# Altium PCB COPY_HIVE_BOARD.PcbDoc (part 8 of 9)
Units mm, origin at the board's own origin, x right, y up, seen from the top; angles counter-clockwise.
Board outline 110 x 110 mm, 8 copper layers (Top, GND_1, Signal_1, GND_2, PWR, Signal_2, GND_3, Bottom), stack 1.6 mm thick; 674 components, 473 nets, 2528 pads, 2100 vias.
Unrouted connection lines stored in the file: 14.
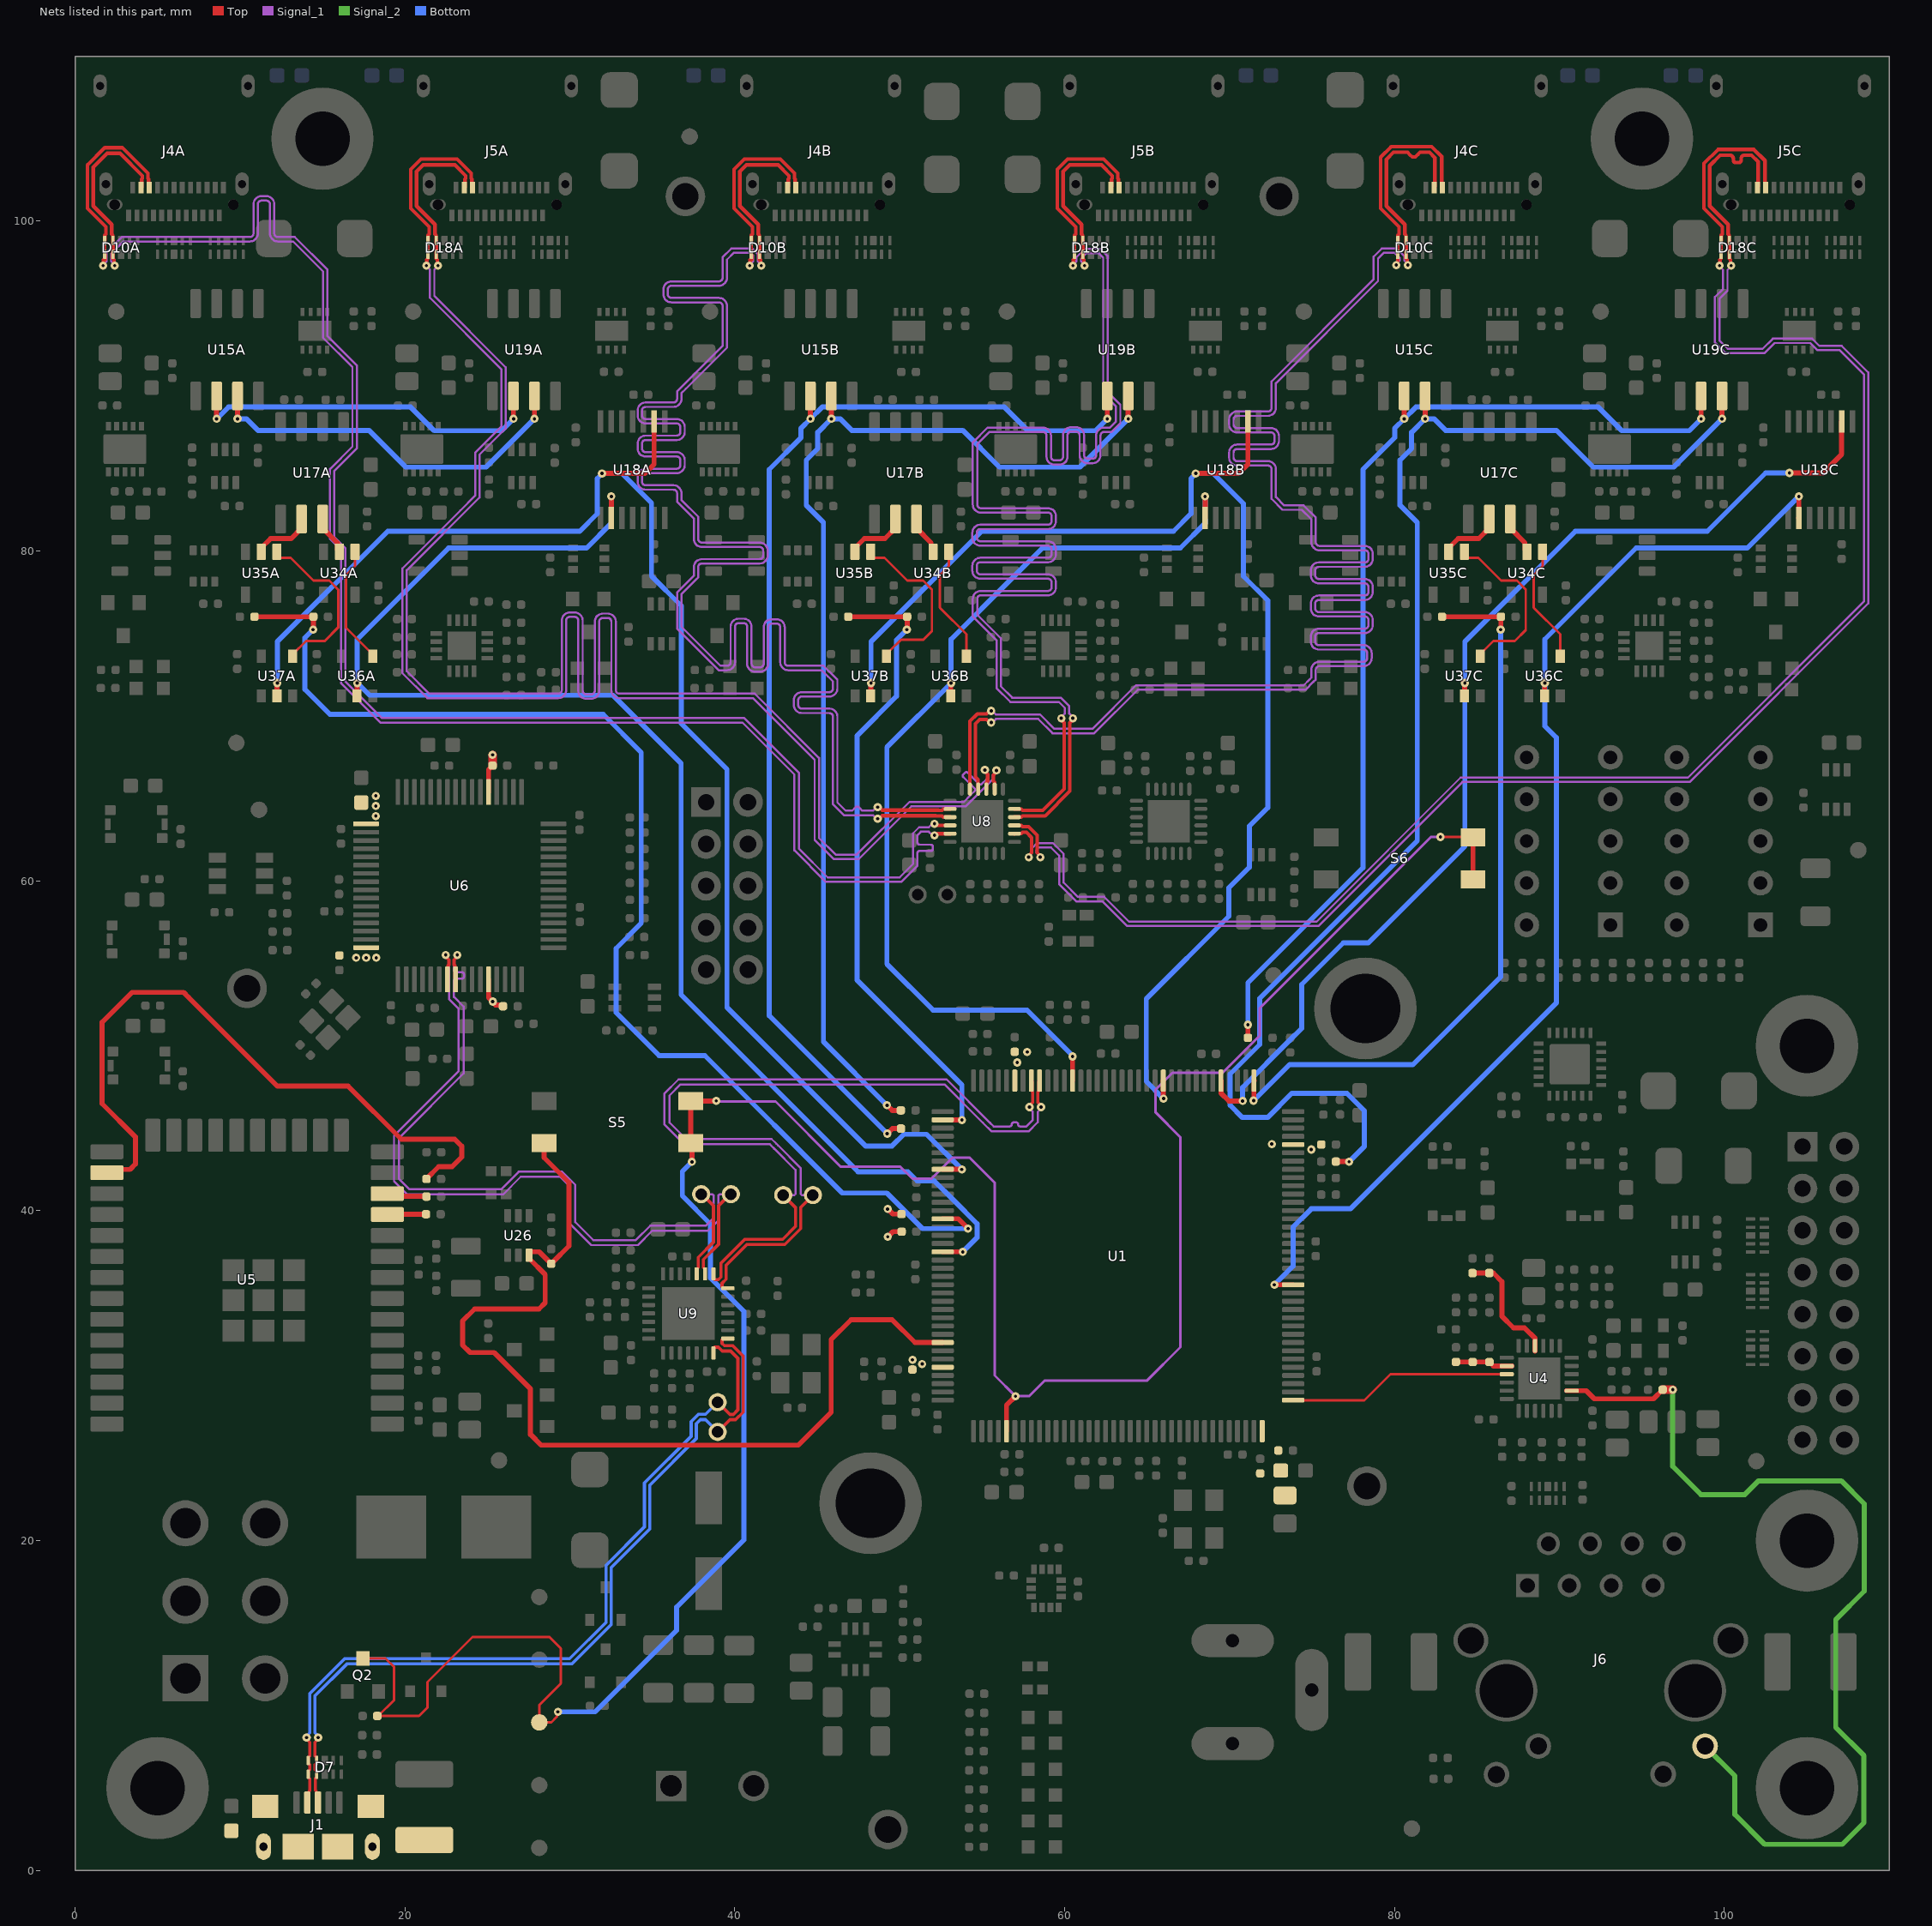
[diagram p14: the nets of this part, all layers, seen from the top]

## Via types
v1: diameter 0.5, hole 0.2, Top to Bottom, tented both sides, 1950 vias
v2: diameter 0.55, hole 0.2, Top to Bottom, tented both sides, 104 vias
v3: diameter 0.5, hole 0.2, Top to Bottom, 41 vias
v4: diameter 0.5, hole 0.2, Top to Bottom, tented bottom, 5 vias

## Nets (pads, with @x,y where several pads share a name; then routed paths per layer and width w, separated by ;. In a path a pad name is that pad's centre, name@x,y a point inside that pad or via, vN(x,y) a via of type N, cw(c..) or ccw(c..) an arc to the next point about the centre after c; other vN are vias at no path point) (continued)
PHY_LED_2: J6.12 R76.2 U4.2 | length 59.6
  Top w0.305: U4.2@90.425,29.091 U4.2@90.738,29.091 91.62,29.091 92.11,28.6 95.701,28.6 R76.2@96.254,29.154
  Top w0.508: R76.2@96.254,29.154 v1@96.868,29.154
  Signal_2 w0.305: v1@96.864,29.208 96.864,24.503 98.569,22.797 101.239,22.797 102.07,23.629 107.078,23.629 108.476,22.231 108.476,16.936 106.749,15.209 106.749,8.675 108.458,6.966 108.458,2.903 107.147,1.593 102.437,1.593 100.627,3.403 100.627,5.741 J6.12@98.825,7.544
  other v1: 96.868,29.149
PHY_nRST: U1.37 U4.15 | length 13.6
  Top w0.152: U1.37@73.851,28.514 78.172,28.514 79.748,30.091 U4.15@86.801,30.091
PHY_REFCLK: R48.1 R73.1 R160.2 U4.14 | length 3.5
  Top w0.305: R48.1@83.721,30.837 83.726,30.833 85.748,30.833 R160.2@85.752,30.829 85.99,30.591 U4.14@86.801,30.591 U4.14@87.123,30.591
PHYAD0: R78.2 R156.1 U4.10 | length 7.4
  Top w0.305: R156.1@84.725,36.223 84.728,36.226 R78.2@85.735,36.226 ; R78.2@85.738,36.228 R78.2@85.735,36.226 ; U4.10@88.519,31.496 U4.10@88.519,31.809 88.519,32.263 87.877,32.905 87.212,32.905 86.504,33.612 86.504,35.712 85.991,36.226 R78.2@85.735,36.226
SHIELD_USB: C149.2 J1.6 J1.7 J1.8 J1.9 J1.10 J1.11 R30.2
SPI_CLK_A: R171.2 U15A.3 U19A.3 | length 24.2
  Top w0.305: U15A.3@9.849,89.405 U15A.3@9.851,89.402 9.851,88.018 v1(9.853,88.016) ; v1@27.851,88.018 U19A.3@27.851,89.402 ; v1(49.274,38.424) v1@49.283,38.424 ; v1@49.332,38.424 v1@49.283,38.424 ; R171.2@50.114,38.735 50.112,38.733 49.591,38.733 v1@49.283,38.424
  Bottom w0.305: v1(9.853,88.016) 10.39,88.016 11.091,87.315 17.817,87.315 20.049,85.083 24.92,85.083 v1(27.853,88.016)
SPI_CLK_B: R163.2 U15B.3 U19B.3 | length 68.5
  Top w0.305: U15B.3@45.849,89.405 U15B.3@45.851,89.402 45.851,88.018 v1(45.853,88.016) ; v1(49.227,46.397) v1@49.235,46.397 ; v1@49.284,46.397 v1@49.235,46.397 ; R163.2@50.067,46.086 50.065,46.088 49.544,46.088 v1@49.235,46.397 ; U19B.3@63.849,89.405 U19B.3@63.851,89.402 63.851,88.018 v1(63.853,88.016)
  Bottom w0.305: v1(49.227,46.397) 45.373,50.251 45.373,81.731 44.33,82.774 44.33,85.519 45.031,86.22 45.031,87.194 v1(45.853,88.016) 46.39,88.016 47.091,87.315 53.817,87.315 56.049,85.083 60.92,85.083 v1(63.853,88.016)
SPI_CLK_C: R162.1 U15C.3 U19C.3 | length 84.4
  Top w0.305: R162.1@76.439,42.983 77.234,42.983 v1(77.243,42.974) ; U15C.3@81.849,89.405 U15C.3@81.851,89.402 81.851,88.018 v1(81.853,88.016) ; U19C.3@99.849,89.405 U19C.3@99.851,89.402 99.851,88.018 v1(99.853,88.016)
  Bottom w0.305: v1(77.243,42.974) 78.174,43.905 78.174,46.051 77.109,47.115 73.765,47.115 72.308,45.658 70.769,45.658 70.029,46.398 70.029,48.286 71.82,50.078 71.82,52.875 81.373,62.428 81.373,81.731 80.33,82.774 80.33,85.519 81.031,86.22 81.031,87.194 v1(81.853,88.016) 82.39,88.016 83.091,87.315 89.817,87.315 92.049,85.083 96.92,85.083 v1(99.853,88.016)
SPI_CS_0A: U34A.1 U36A.4 | length 7.2
  Top w0.152: U34A.1@16.973,79.958 16.973,79.092 16.434,78.553 16.434,75.351 18.044,73.74 U36A.4@18.044,73.615
SPI_CS_0B: U34B.1 U36B.4 | length 7.2
  Top w0.152: U34B.1@52.973,79.958 52.973,79.092 52.434,78.553 52.434,76.564 54.044,74.954 54.044,73.74 U36B.4@54.044,73.615
SPI_CS_0C: U34C.1 U36C.4 | length 7.2
  Top w0.152: U34C.1@88.973,79.958 88.973,79.092 88.434,78.553 88.434,76.564 90.044,74.954 90.044,73.74 U36C.4@90.044,73.615
SPI_CS_1A: U35A.1 U37A.4 | length 10.6
  Top w0.152: U35A.1@12.234,79.958 12.234,79.788 12.432,79.589 13.073,79.589 14.455,78.207 15.413,78.207 15.951,77.67 15.951,75.362 15.14,74.55 14.003,74.55 13.193,73.74 U37A.4@13.193,73.615
SPI_CS_1B: U35B.1 U37B.4 | length 10.8
  Top w0.152: U35B.1@48.234,79.958 48.234,79.788 48.432,79.589 49.073,79.589 50.455,78.207 51.413,78.207 51.951,77.67 51.951,75.145 51.432,74.626 50.079,74.626 49.392,73.939 49.193,73.74 U37B.4@49.193,73.615
SPI_CS_1C: U35C.1 U37C.4 | length 10.7
  Top w0.152: U35C.1@84.234,79.958 84.234,79.788 84.432,79.589 85.073,79.589 86.455,78.207 87.413,78.207 87.951,77.67 87.951,75.206 87.283,74.538 85.99,74.538 85.392,73.939 85.193,73.74 U37C.4@85.193,73.615
SPI_MISO_0A: U17A.7 U34A.2 | length 2.4
  Top w0.305: U17A.7@15.01,81.942 15.01,81.392 15.9,80.501 15.9,80.08 U34A.2@16.023,79.958
SPI_MISO_0B: U17B.7 U34B.2 | length 2.4
  Top w0.305: U17B.7@51.01,81.942 51.01,81.392 51.9,80.501 51.9,80.08 U34B.2@52.023,79.958
SPI_MISO_0C: U17C.7 U34C.2 | length 2.4
  Top w0.305: U17C.7@87.01,81.942 87.01,81.392 87.9,80.501 87.9,80.08 U34C.2@88.023,79.958
SPI_MISO_1A: U17A.6 U35A.2 | length 3.7
  Top w0.305: U35A.2@11.284,79.958 11.284,80.183 11.859,80.757 13.106,80.757 13.74,81.392 U17A.6@13.74,81.942
SPI_MISO_1B: U17B.6 U35B.2 | length 3.7
  Top w0.305: U35B.2@47.284,79.958 47.284,80.183 47.859,80.757 49.106,80.757 49.74,81.392 U17B.6@49.74,81.942
SPI_MISO_1C: U17C.6 U35C.2 | length 3.7
  Top w0.305: U35C.2@83.284,79.958 83.284,80.183 83.859,80.757 85.106,80.757 85.74,81.392 U17C.6@85.74,81.942
SPI_MISO_A: R164A.2 R174A.2 U1.122 | length 75.1
  Top w0.305: R174A.2@10.879,76.016 R164A.2@14.448,76.016 14.448,75.233 v1(14.43,75.233) ; U1.122@52.601,39.514 53.546,39.514 v1(54.142,38.918)
  Bottom w0.305: v1(14.43,75.233) 13.934,74.737 13.934,71.616 15.454,70.097 32.02,70.097 34.328,67.789 34.328,57.434 32.801,55.908 32.801,52.022 35.412,49.411 38.185,49.411 46.517,41.079 49.213,41.079 51.374,38.918 v1(54.142,38.918)
SPI_MISO_B: R164B.2 R174B.2 U1.110 | length 39.1
  Top w0.305: R174B.2@46.879,76.016 R164B.2@50.448,76.016 50.448,75.233 v1(50.43,75.233) ; U1.110@52.601,45.514 52.604,45.512 53.76,45.512 v1(53.768,45.504)
  Bottom w0.305: v1(50.43,75.233) 49.81,74.613 49.81,71.197 47.422,68.809 47.422,53.974 53.768,47.628 v1(53.768,45.504)
SPI_MISO_C: R164C.2 R174C.2 U1.74 | length 44.7
  Top w0.305: v1(71.452,46.677) 71.474,46.698 71.474,47.887 U1.74@71.476,47.889 ; R174C.2@82.879,76.016 R164C.2@86.448,76.016 86.448,75.233 v1(86.43,75.233)
  Bottom w0.305: v1(71.452,46.677) 73.637,48.861 81.11,48.861 86.43,54.181 v1(86.43,75.233)
SPI_MOSI_A: R161.1 U15A.2 U19A.2 | length 23
  Top w0.305: U15A.2@8.581,89.402 8.583,89.4 8.583,88.016 v1(8.585,88.014) ; v1@26.581,88.018 U19A.2@26.581,89.402 ; v1(49.264,40.11) v1@49.272,40.11 ; v1@49.321,40.11 v1@49.272,40.11 ; R161.1@50.104,39.799 50.102,39.801 49.581,39.801 v1@49.272,40.11
  Bottom w0.305: v1(8.585,88.014) 9.301,88.731 20.339,88.731 21.774,87.295 25.866,87.295 v1@26.585,88.014
  other v1: 26.583,88.016
SPI_MOSI_B: R166.2 U15B.2 U19B.2 | length 70.3
  Top w0.305: U15B.2@44.581,89.402 44.583,89.4 44.583,88.016 v1(44.585,88.014) ; v1(49.239,44.675) v1@49.247,44.675 ; v1@49.296,44.675 v1@49.247,44.675 ; R166.2@50.078,44.986 R166.2@50.076,44.983 49.555,44.983 v1@49.247,44.675 ; U19B.2@62.581,89.402 62.583,89.4 62.583,88.016 v1(62.585,88.014)
  Bottom w0.305: v1(49.239,44.675) 42.081,51.832 42.081,84.947 44.016,86.882 44.016,87.445 v1(44.585,88.014) 45.301,88.731 56.339,88.731 57.774,87.295 61.866,87.295 v1(62.585,88.014)
SPI_MOSI_C: R168.1 U15C.2 U19C.2 | length 63.4
  Top w0.305: R168.1@71.108,50.486 v1@71.108,51.275 ; U15C.2@80.581,89.402 U15C.2@80.581,89.402 80.583,88.016 v1(80.585,88.014) ; U19C.2@98.581,89.402 98.583,89.4 98.583,88.016 v1(98.585,88.014)
  Bottom w0.305: v1(71.111,51.278) 71.111,53.822 78.081,60.792 78.081,84.947 80.016,86.882 80.016,87.445 v1(80.585,88.014) 81.301,88.731 92.339,88.731 93.774,87.295 97.866,87.295 v1(98.585,88.014)
SPI_nCS_0A: U1.126 U18A.2 U36A.2 | length 87.4
  Top w0.305: U36A.2@17.094,71.215 v1@17.094,71.998 ; U18A.2@32.505,82 32.512,82.007 v1(32.512,83.312) ; U1.126@52.601,37.514 52.604,37.512 53.818,37.512 v1(53.822,37.508)
  Bottom w0.305: v1(32.512,83.312) 32.512,81.682 31.018,80.188 22.649,80.188 17.112,74.65 v1(17.112,71.998) 17.855,71.255 32.615,71.255 36.742,67.128 36.742,53.1 43.825,46.016 47.474,42.367 50.495,42.367 51.048,41.815 52.084,41.815 53.268,40.631 54.686,39.212 54.686,38.373 v1(53.822,37.508)
SPI_nCS_0B: U1.96 U18B.2 U36B.2 | length 58.4
  Top w0.305: U36B.2@53.094,71.215 v1@53.094,71.998 ; U1.96@60.476,47.889 60.477,47.891 v1(60.477,49.352) ; U18B.2@68.505,82 68.512,82.007 v1(68.512,83.312)
  Bottom w0.305: v1(60.477,49.352) 60.477,49.403 57.721,52.16 52.021,52.16 49.219,54.961 49.219,68.106 v1(53.112,71.998) 53.112,74.65 56.762,78.301 58.649,80.188 67.018,80.188 68.512,81.682 v1(68.512,83.312)
SPI_nCS_0C: U1.51 U18C.2 U36C.2 | length 70.1
  Top w0.305: v1@72.713,35.514 U1.51@73.851,35.514 U1.51@73.853,35.512 ; U36C.2@89.094,71.215 v1@89.094,71.998 ; U18C.2@104.505,82 104.512,82.007 v1(104.512,83.312)
  Bottom w0.305: v1(72.71,35.511) 73.842,36.644 73.842,39.008 74.951,40.118 77.324,40.118 89.804,52.597 89.804,55.247 89.804,68.691 89.112,69.382 v1(89.112,71.998) 89.112,74.65 94.649,80.188 101.388,80.188 v1(104.512,83.312)
SPI_nCS_1A: U1.116 U18A.9 U37A.2 | length 90.8
  Top w0.305: U37A.2@12.243,71.215 v1@12.243,71.998 ; v1(31.944,84.7) 34.549,84.7 35.105,85.256 U18A.9@35.105,87.85 U18A.9@35.128,87.826 ; U1.116@52.601,42.514 52.604,42.512 53.757,42.512 v1(53.764,42.505)
  Bottom w0.305: v1(12.26,71.998) 12.26,74.502 18.962,81.204 30.6,81.204 31.657,82.26 31.657,84.398 31.944,84.686 v1(31.944,84.7) 33.168,84.7 34.95,82.918 34.95,78.487 36.758,76.679 36.758,69.538 39.527,66.769 39.527,52.329 47.926,43.93 49.535,43.93 50.245,44.64 51.628,44.64 v1(53.764,42.505)
SPI_nCS_1B: U1.85 U18B.9 U37B.2 | length 79.4
  Top w0.305: U37B.2@48.243,71.215 v1@48.243,71.998 ; U1.85@65.976,47.889 65.979,47.887 65.979,46.816 v1(65.994,46.801) ; v1(67.944,84.7) 70.549,84.7 71.105,85.256 U18B.9@71.105,87.85
  Bottom w0.305: v1(48.26,71.998) 48.26,74.502 54.962,81.204 66.6,81.204 67.657,82.261 67.657,84.398 67.944,84.685 v1(67.944,84.7) 69.017,84.7 70.838,82.878 70.838,78.471 72.312,76.998 72.312,64.441 71.196,63.326 71.196,60.827 69.952,59.582 69.952,57.86 64.948,52.856 64.948,47.847 v1(65.994,46.801)
SPI_nCS_1C: U1.78 U18C.9 U37C.2 | length 66.9
  Top w0.305: U1.78@69.476,47.889 69.476,47.135 69.952,46.66 v1(70.79,46.66) ; U37C.2@84.243,71.215 v1@84.243,71.998 ; v1(103.937,84.734) 105.97,84.734 107.105,85.869 U18C.9@107.105,87.85 U18C.9@107.128,87.826
  Bottom w0.305: v1(70.79,46.66) 70.79,47.479 73.637,50.325 74.368,51.056 74.368,53.72 76.891,56.243 78.408,56.243 84.26,62.096 v1(84.26,71.998) 84.26,74.502 90.962,81.204 98.965,81.204 102.495,84.734 v1(103.937,84.734)
SYNC_0A_N: D10A.5 D10A.6 J4A.B3 U8.4 | length 105.4
  Top w0.216: v1(1.699,97.305) 1.729,97.335 1.729,97.654 D10A.6@1.8,97.725 ; 1.808,97.652 1.808,97.975 D10A.6@1.8,97.982 D10A.5@1.8,98.817 1.808,98.825 1.808,99.148 1.879,99.219 1.879,99.656 0.759,100.775 0.759,103.408 1.806,104.455 2.864,104.455 4.421,102.897 4.421,102.576 4.458,102.54 4.458,102.082 J4A.B3@4.5,102.04 ; v1(52.105,63.464) 52.195,63.464 52.296,63.363 U8.4@53.054,63.363
  Signal_1 w0.127: v1(1.699,97.305) 1.699,97.348 1.917,97.566 1.917,98.119 2.833,99.035 9.991,99.035 10.397,99.035 10.594,99.035 ccw(c10.594,99.256) 10.815,99.256 10.815,101.022 cw(c11.302,101.022) 11.302,101.509 11.597,101.509 cw(c11.597,101.022) 12.085,101.022 12.085,99.256 ccw(c12.306,99.256) 12.306,99.035 12.952,99.035 13.324,99.035 15.305,97.054 15.305,93.035 17.083,91.257 17.083,86.224 15.723,84.865 15.723,80.843 16.384,80.183 16.384,72.1 18.616,69.868 40.572,69.868 43.881,66.558 43.881,61.96 45.634,60.208 49.99,60.208 50.808,61.026 50.808,62.887 51.167,63.246 51.762,63.246 v1@51.98,63.464
SYNC_0A_P: D10A.4 D10A.7 J4A.B2 U8.5 | length 105.4
  Top w0.216: v1(2.401,97.305) 2.371,97.335 2.371,97.654 2.3,97.725 D10A.7@2.3,97.982 D10A.4@2.3,98.817 2.292,98.825 2.292,99.148 2.221,99.219 2.221,99.798 1.102,100.917 1.102,103.266 1.948,104.112 2.722,104.112 4.078,102.755 4.078,102.576 4.042,102.54 4.042,102.082 J4A.B2@4,102.04 ; v1(52.105,62.762) 52.195,62.762 52.296,62.863 U8.5@53.054,62.863
  Signal_1 w0.127: v1(2.401,97.305) 2.401,97.348 2.183,97.566 2.183,98.008 2.943,98.768 10.397,98.768 10.594,98.768 ccw(c10.594,99.256) 11.081,99.256 11.081,101.022 cw(c11.302,101.022) 11.302,101.243 11.597,101.243 cw(c11.597,101.022) 11.818,101.022 11.818,99.256 ccw(c12.306,99.256) 12.306,98.768 12.952,98.768 13.214,98.768 15.038,96.944 15.038,92.925 16.816,91.146 16.816,86.335 15.457,84.975 15.457,80.733 16.117,80.072 16.117,71.99 18.506,69.601 40.461,69.601 43.615,66.447 43.615,61.85 45.523,59.942 50.1,59.942 51.074,60.915 51.074,61.244 51.074,61.688 cw(c51.201,61.688) 51.201,61.815 51.891,61.815 ccw(c51.891,61.929) 52.005,61.929 52.005,62.082 ccw(c51.891,62.082) 51.891,62.196 51.201,62.196 cw(c51.201,62.323) 51.074,62.323 51.074,62.515 51.074,62.776 51.278,62.98 51.762,62.98 v1@51.98,62.762
SYNC_0B_N: D10B.5 D10B.6 J4B.B3 U8.2 | length 106.5
  Top w0.216: v1(40.899,97.305) 40.929,97.336 40.929,97.655 41,97.726 D10B.6@41,97.983 ; 41.008,97.652 41.008,97.975 D10B.6@41,97.983 ; J4B.B3@43.7,102.04 43.658,102.082 43.658,102.54 43.621,102.577 43.621,102.898 42.764,103.755 40.568,103.755 39.959,103.146 39.959,100.776 41.079,99.656 41.079,99.219 41.008,99.149 41.008,98.826 D10B.5@41,98.817 D10B.6@41,97.983 ; v1(48.661,64.471) 48.751,64.471 48.931,64.292 52.323,64.292 52.33,64.284 52.566,64.284 52.638,64.356 53.047,64.356 U8.2@53.054,64.363
  Signal_1 w0.127: v1(40.899,97.305) 40.899,97.348 41.117,97.566 41.117,97.913 40.957,98.073 39.929,98.073 39.523,97.667 39.523,97.146 39.523,96.568 cw(c39.035,96.568) 39.035,96.08 36.158,96.08 ccw(c36.158,95.859) 35.937,95.859 35.937,95.565 ccw(c36.158,95.565) 36.158,95.344 39.035,95.344 cw(c39.035,94.856) 39.523,94.856 39.523,94.659 39.523,92.327 37.028,89.832 36.764,89.568 36.764,89.225 cw(c36.276,89.225) 36.276,88.737 34.594,88.737 ccw(c34.594,88.516) 34.373,88.516 34.373,88.221 ccw(c34.594,88.221) 34.594,88 36.477,88 cw(c36.477,87.513) 36.964,87.513 36.964,87.218 cw(c36.477,87.218) 36.477,86.73 34.594,86.73 ccw(c34.594,86.509) 34.373,86.509 34.373,86.215 ccw(c34.594,86.215) 34.594,85.994 36.477,85.994 cw(c36.477,85.506) 36.964,85.506 36.964,85.211 cw(c36.477,85.211) 36.477,84.724 34.594,84.724 ccw(c34.594,84.503) 34.373,84.503 34.373,84.208 ccw(c34.594,84.208) 34.594,83.987 36.276,83.987 cw(c36.276,83.499) 36.764,83.499 36.764,83.303 36.764,83.099 37.781,82.082 37.781,80.93 37.781,80.733 ccw(c38.002,80.733) 38.002,80.512 41.501,80.512 cw(c41.501,80.024) 41.988,80.024 41.988,79.729 cw(c41.501,79.729) 41.501,79.242 38.002,79.242 ccw(c38.002,79.021) 37.781,79.021 37.781,78.395 37.725,78.339 36.764,77.378 36.764,75.412 39.136,73.04 39.327,73.04 39.524,73.04 ccw(c39.524,73.261) 39.745,73.261 39.745,75.409 cw(c40.233,75.409) 40.233,75.896 40.528,75.896 cw(c40.528,75.409) 41.015,75.409 41.015,73.169 ccw(c41.236,73.169) 41.236,72.948 41.531,72.948 ccw(c41.531,73.169) 41.752,73.169 41.752,75.378 cw(c42.24,75.378) 42.24,75.866 42.534,75.866 cw(c42.534,75.378) 43.022,75.378 43.022,73.261 ccw(c43.243,73.261) 43.243,73.04 44.416,73.04 45.375,73.04 46.011,72.404 46.218,72.197 46.218,71.667 cw(c45.73,71.667) 45.73,71.179 44.068,71.179 ccw(c44.068,70.958) 43.847,70.958 43.847,70.663 ccw(c44.068,70.663) 44.068,70.442 45.73,70.442 cw(c45.73,69.955) 46.218,69.955 46.218,69.758 46.218,64.76 46.724,64.254 47.117,64.254 47.231,64.368 47.231,64.376 47.345,64.49 47.498,64.49 47.612,64.376 47.612,64.368 47.726,64.254 48.171,64.254 48.375,64.254 48.593,64.471 v1(48.661,64.471)
SYNC_0B_P: D10B.4 D10B.7 J4B.B2 U8.3 | length 106.5
  Top w0.216: 41.492,97.652 41.492,97.975 D10B.7@41.5,97.983 ; v1(41.601,97.305) 41.571,97.336 41.571,97.655 41.5,97.726 D10B.7@41.5,97.983 ; J4B.B2@43.2,102.04 43.242,102.082 43.242,102.54 43.278,102.577 43.278,102.756 42.622,103.412 40.71,103.412 40.302,103.004 40.302,100.918 41.422,99.798 41.422,99.219 41.492,99.149 41.492,98.826 D10B.4@41.5,98.817 D10B.7@41.5,97.983 ; v1(48.661,63.769) 48.751,63.769 48.931,63.949 52.181,63.949 52.188,63.942 52.566,63.942 52.638,63.869 53.047,63.869 U8.3@53.054,63.863
  Signal_1 w0.127: v1(41.601,97.305) 41.601,97.348 41.383,97.566 41.383,98.024 41.068,98.34 39.791,98.34 39.256,97.804 39.256,97.146 39.256,96.568 cw(c39.035,96.568) 39.035,96.347 36.158,96.347 ccw(c36.158,95.859) 35.671,95.859 35.671,95.565 ccw(c36.158,95.565) 36.158,95.077 39.035,95.077 cw(c39.035,94.856) 39.256,94.856 39.256,94.659 39.256,92.437 36.701,89.882 36.497,89.679 36.497,89.225 cw(c36.276,89.225) 36.276,89.004 34.594,89.004 ccw(c34.594,88.516) 34.107,88.516 34.107,88.221 ccw(c34.594,88.221) 34.594,87.734 36.477,87.734 cw(c36.477,87.513) 36.698,87.513 36.698,87.218 cw(c36.477,87.218) 36.477,86.997 34.594,86.997 ccw(c34.594,86.509) 34.107,86.509 34.107,86.215 ccw(c34.594,86.215) 34.594,85.727 36.477,85.727 cw(c36.477,85.506) 36.698,85.506 36.698,85.211 cw(c36.477,85.211) 36.477,84.99 34.594,84.99 ccw(c34.594,84.503) 34.107,84.503 34.107,84.208 ccw(c34.594,84.208) 34.594,83.72 36.276,83.72 cw(c36.276,83.499) 36.497,83.499 36.497,83.303 36.497,82.988 37.514,81.972 37.514,80.93 37.514,80.733 ccw(c38.002,80.733) 38.002,80.245 41.501,80.245 cw(c41.501,80.024) 41.722,80.024 41.722,79.729 cw(c41.501,79.729) 41.501,79.508 38.002,79.508 ccw(c38.002,79.021) 37.514,79.021 37.514,78.505 37.348,78.339 36.497,77.488 36.497,75.302 39.026,72.773 39.327,72.773 39.524,72.773 ccw(c39.524,73.261) 40.012,73.261 40.012,75.409 cw(c40.233,75.409) 40.233,75.63 40.528,75.63 cw(c40.528,75.409) 40.749,75.409 40.749,73.169 ccw(c41.236,73.169) 41.236,72.681 41.531,72.681 ccw(c41.531,73.169) 42.019,73.169 42.019,75.378 cw(c42.24,75.378) 42.24,75.599 42.534,75.599 cw(c42.534,75.378) 42.755,75.378 42.755,73.261 ccw(c43.243,73.261) 43.243,72.773 44.416,72.773 45.265,72.773 45.634,72.404 45.951,72.087 45.951,71.667 cw(c45.73,71.667) 45.73,71.446 44.068,71.446 ccw(c44.068,70.958) 43.58,70.958 43.58,70.663 ccw(c44.068,70.663) 44.068,70.176 45.73,70.176 cw(c45.73,69.955) 45.951,69.955 45.951,69.758 45.951,64.649 46.613,63.987 48.375,63.987 48.593,63.769 v1(48.661,63.769)
SYNC_0C_N: D10C.5 D10C.6 J4C.B3 U8.22 | length 106.5
  Top w0.216: U8.22@54.754,65.563 54.747,65.569 54.747,66.157 54.597,66.307 54.597,69.532 54.848,69.783 55.273,69.783 55.453,69.603 v1(55.543,69.603) ; v1(80.099,97.333) 80.099,97.423 80.192,97.516 80.192,97.975 D10C.6@80.2,97.982 D10C.5@80.2,98.817 80.208,98.826 80.208,99.148 80.279,99.219 80.279,99.656 79.16,100.775 79.16,103.879 79.793,104.513 82.256,104.513 82.858,103.911 82.858,102.082 J4C.B3@82.9,102.04
  Signal_1 w0.127: v1(55.543,69.603) 55.611,69.603 55.829,69.821 58.395,69.821 59.265,68.951 61.787,68.951 64.425,71.588 74.599,71.588 75.08,72.069 75.224,72.214 75.224,72.801 cw(c75.445,72.801) 75.445,73.022 78.122,73.022 ccw(c78.122,73.51) 78.609,73.51 78.609,73.804 ccw(c78.122,73.804) 78.122,74.292 75.409,74.292 cw(c75.409,74.513) 75.188,74.513 75.188,74.808 cw(c75.409,74.808) 75.409,75.029 78.195,75.029 ccw(c78.195,75.516) 78.682,75.516 78.682,75.811 ccw(c78.195,75.811) 78.195,76.299 75.409,76.299 cw(c75.409,76.52) 75.188,76.52 75.188,76.814 cw(c75.409,76.814) 75.409,77.035 78.195,77.035 ccw(c78.195,77.523) 78.682,77.523 78.682,77.817 ccw(c78.195,77.817) 78.195,78.305 75.409,78.305 cw(c75.409,78.526) 75.188,78.526 75.188,78.821 cw(c75.409,78.821) 75.409,79.042 78.195,79.042 ccw(c78.195,79.529) 78.682,79.529 78.682,79.824 ccw(c78.195,79.824) 78.195,80.312 75.445,80.312 cw(c75.445,80.533) 75.224,80.533 75.224,80.73 75.224,82.029 74.488,82.766 73.312,82.766 72.808,83.27 72.808,84.765 72.808,84.962 ccw(c72.32,84.962) 72.32,85.449 70.458,85.449 cw(c70.458,85.67) 70.237,85.67 70.237,85.965 cw(c70.458,85.965) 70.458,86.186 72.504,86.186 ccw(c72.504,86.674) 72.992,86.674 72.992,86.968 ccw(c72.504,86.968) 72.504,87.456 70.458,87.456 cw(c70.458,87.677) 70.237,87.677 70.237,87.972 cw(c70.458,87.972) 70.458,88.193 72.32,88.193 ccw(c72.32,88.68) 72.808,88.68 72.808,89.3 72.808,90.174 78.999,96.364 78.999,97.737 79.336,98.074 80.016,98.074 80.317,97.773 80.317,97.619 80.099,97.401 v1(80.099,97.333)